# Altium PCB motor_drive.PcbDoc
Units mm, origin at the board's own origin, x right, y up, seen from the top; angles counter-clockwise.
Board outline 99.95 x 81.66 mm, 2 copper layers (Top Layer, Bottom Layer); 112 components, 60 nets, 303 pads, 671 vias.
Unrouted connection lines stored in the file: 26.
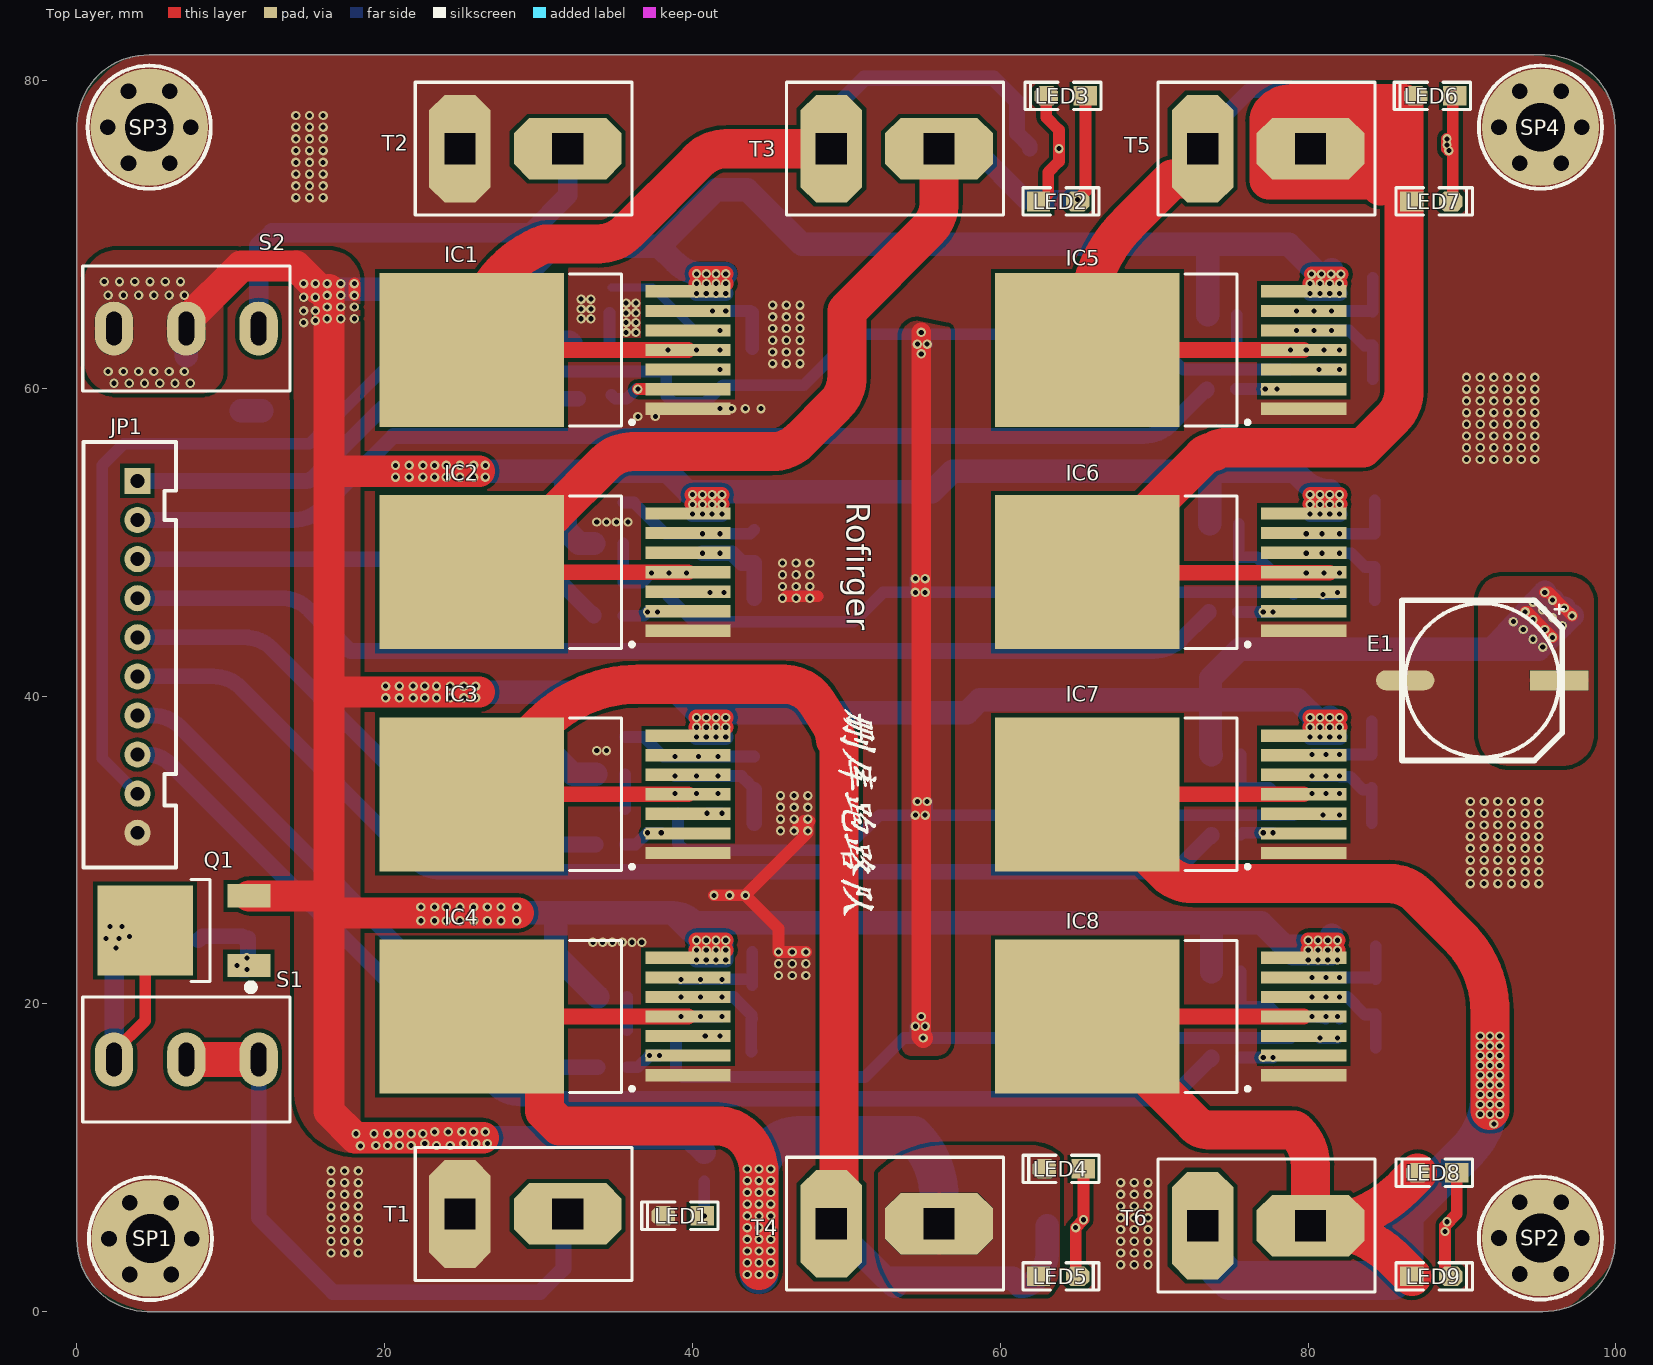
[diagram p0: Top Layer view]
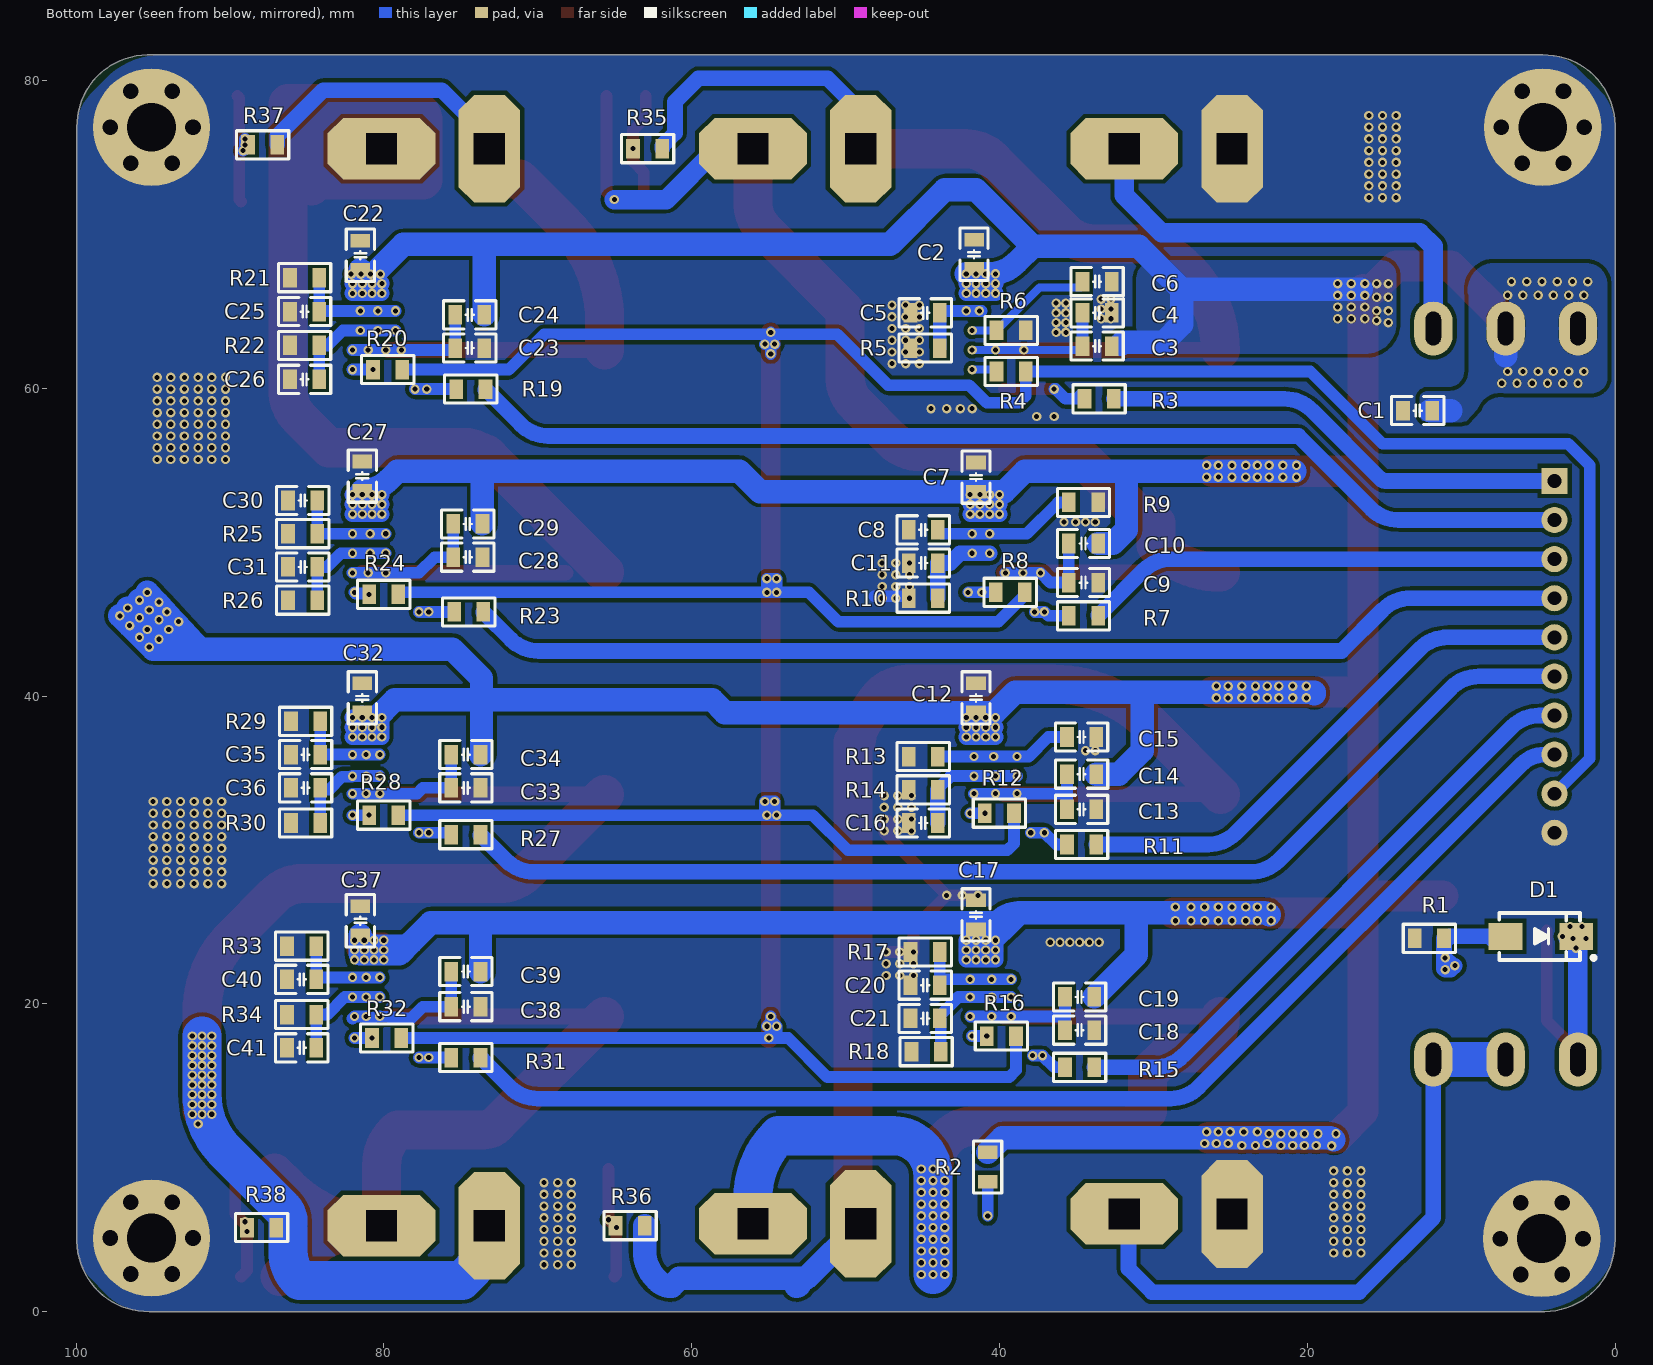
[diagram p1: Bottom Layer view, seen from below]
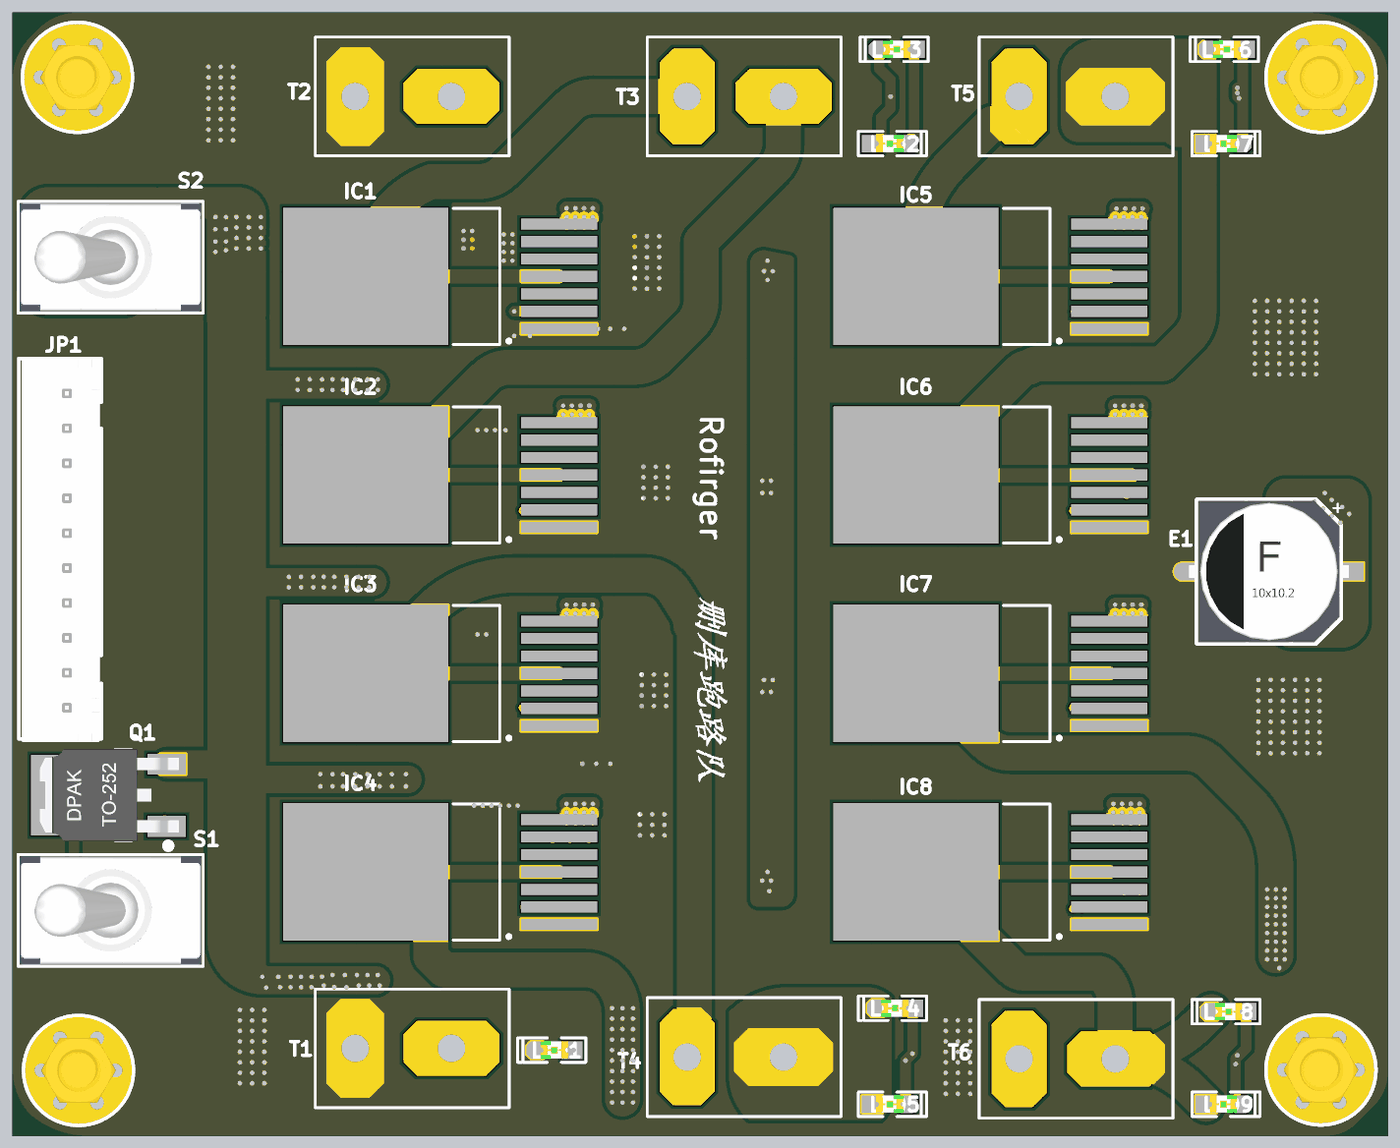
[diagram p2: 3D render of the assembled board from above, using the file's embedded part models]
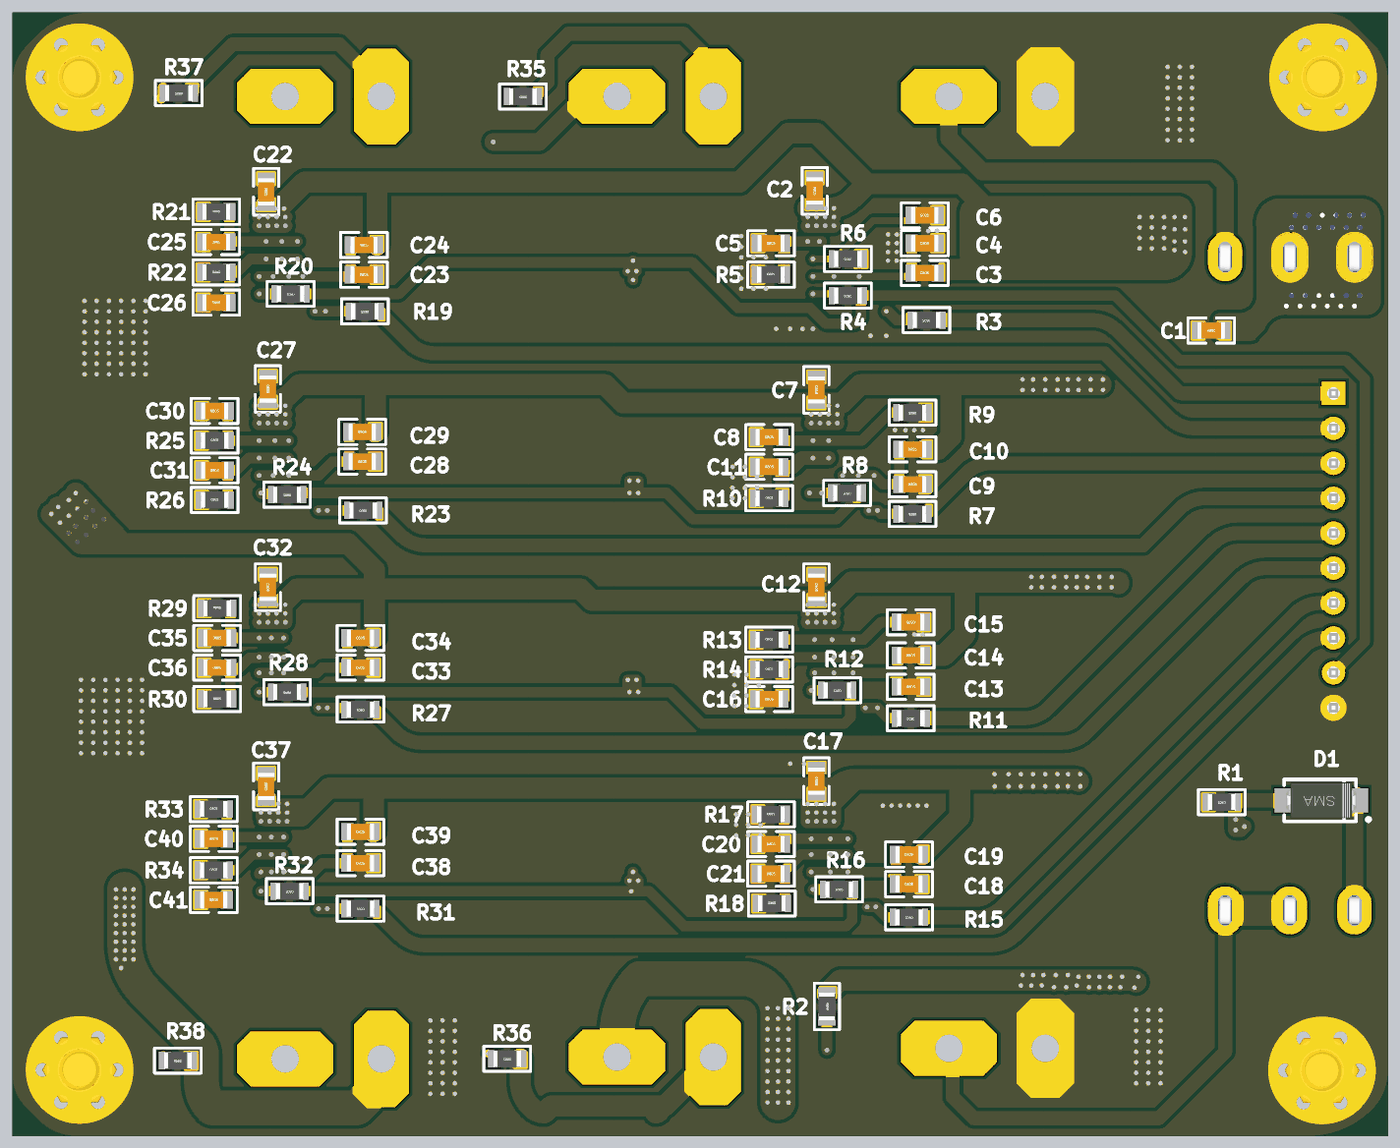
[diagram p3: 3D render of the assembled board from below, using the file's embedded part models]

## Layer stack, top to bottom
Top Solder: solder mask 0.0102, Solder Resist, Dk 3.5
Top Layer: signal copper 0.0356
Dielectric 1: dielectric 0.32, FR-4, Dk 4.8
Bottom Layer: signal copper 0.0356
Bottom Solder: solder mask 0.0102, Solder Resist, Dk 3.5

## Board outline
4.572,0 cw(c4.635,4.636) 0,4.699 0,77.026 0,77.089 cw(c4.635,77.026) 4.699,81.661 95.377,81.661 cw(c95.313,77.023) 99.951,76.96 99.949,76.96 99.949,4.572 cw(c95.313,4.636) 95.25,0

## Design rules (kind name [scope] priority, off if disabled: settings)
Clearance [All] p1: gap=0.254 ignorepadtopadclearanceinfootprint=FALSE except(0: Arc-Hole Track-Hole SMDPad-Hole THPad-Hole Via-Hole Fill-Hole Poly-Hole Region-Hole Text-Hole)
PolygonConnect PolygonConnect_10 [All vs IsNamedPolygon('Top Layer-GND')] p1: connectstyle=Direct reliefconductorwidth=0.254 reliefentries=4 polygonreliefangle="90 Angle" airgapwidth=0.254
PolygonConnect PolygonConnect_9 [All vs IsNamedPolygon('Bottom Layer-GND')] p2: connectstyle=Direct reliefconductorwidth=0.254 reliefentries=4 polygonreliefangle="90 Angle" airgapwidth=0.254
PolygonConnect PolygonConnect_8 [All vs IsNamedPolygon('Bottom Layer-No Net 2')] p3: thpad.connectstyle=Direct thpad.reliefconductorwidth=0.254 thpad.reliefentries=4 thpad.polygonreliefangle="90 Angle" thpad.airgapwidth=0.254 smdpad.connectstyle=Direct smdpad.reliefconductorwidth=0.254 smdpad.reliefentries=4 smdpad.polygonreliefangle="90 Angle" smdpad.airgapwidth=0.254 via.connectstyle=Relief via.reliefconductorwidth=0.254 via.reliefentries=4 via.polygonreliefangle="90 Angle" via.airgapwidth=0.254
PolygonConnect PolygonConnect_7 [All vs IsNamedPolygon('Top Layer-VCC')] p4: thpad.connectstyle=Direct thpad.reliefconductorwidth=0.254 thpad.reliefentries=4 thpad.polygonreliefangle="90 Angle" thpad.airgapwidth=0.254 smdpad.connectstyle=Direct smdpad.reliefconductorwidth=0.254 smdpad.reliefentries=4 smdpad.polygonreliefangle="90 Angle" smdpad.airgapwidth=0.254 via.connectstyle=Relief via.reliefconductorwidth=0.254 via.reliefentries=4 via.polygonreliefangle="90 Angle" via.airgapwidth=0.254
PolygonConnect PolygonConnect_6 [All vs IsNamedPolygon('Top Layer-VCC')] p5: thpad.connectstyle=Relief thpad.reliefconductorwidth=0.254 thpad.reliefentries=4 thpad.polygonreliefangle="90 Angle" thpad.airgapwidth=0.254 smdpad.connectstyle=Direct smdpad.reliefconductorwidth=0.254 smdpad.reliefentries=4 smdpad.polygonreliefangle="90 Angle" smdpad.airgapwidth=0.254 via.connectstyle=Relief via.reliefconductorwidth=0.254 via.reliefentries=4 via.polygonreliefangle="90 Angle" via.airgapwidth=0.254
PolygonConnect PolygonConnect_5 [All vs IsNamedPolygon('Top Layer-VCC')] p6: thpad.connectstyle=Direct thpad.reliefconductorwidth=0.254 thpad.reliefentries=4 thpad.polygonreliefangle="90 Angle" thpad.airgapwidth=0.254 smdpad.connectstyle=Direct smdpad.reliefconductorwidth=0.254 smdpad.reliefentries=4 smdpad.polygonreliefangle="90 Angle" smdpad.airgapwidth=0.254 via.connectstyle=Relief via.reliefconductorwidth=0.254 via.reliefentries=4 via.polygonreliefangle="90 Angle" via.airgapwidth=0.254
PolygonConnect PolygonConnect_4 [All vs IsNamedPolygon('Bottom Layer-GND')] p7: thpad.connectstyle=Direct thpad.reliefconductorwidth=0.254 thpad.reliefentries=4 thpad.polygonreliefangle="90 Angle" thpad.airgapwidth=0.254 smdpad.connectstyle=Direct smdpad.reliefconductorwidth=0.254 smdpad.reliefentries=4 smdpad.polygonreliefangle="90 Angle" smdpad.airgapwidth=0.254 via.connectstyle=Relief via.reliefconductorwidth=0.254 via.reliefentries=4 via.polygonreliefangle="90 Angle" via.airgapwidth=0.254
PolygonConnect PolygonConnect_3 [All vs IsNamedPolygon('Top Layer-GND')] p8: thpad.connectstyle=Direct thpad.reliefconductorwidth=0.254 thpad.reliefentries=4 thpad.polygonreliefangle="90 Angle" thpad.airgapwidth=0.254 smdpad.connectstyle=Direct smdpad.reliefconductorwidth=0.254 smdpad.reliefentries=4 smdpad.polygonreliefangle="90 Angle" smdpad.airgapwidth=0.254 via.connectstyle=Relief via.reliefconductorwidth=0.254 via.reliefentries=4 via.polygonreliefangle="90 Angle" via.airgapwidth=0.254
PolygonConnect PolygonConnect_2 [All vs IsNamedPolygon('Bottom Layer-GND')] p9: thpad.connectstyle=Direct thpad.reliefconductorwidth=0.254 thpad.reliefentries=4 thpad.polygonreliefangle="90 Angle" thpad.airgapwidth=0.254 smdpad.connectstyle=Direct smdpad.reliefconductorwidth=0.254 smdpad.reliefentries=4 smdpad.polygonreliefangle="90 Angle" smdpad.airgapwidth=0.254 via.connectstyle=Relief via.reliefconductorwidth=0.254 via.reliefentries=4 via.polygonreliefangle="90 Angle" via.airgapwidth=0.254
PolygonConnect PolygonConnect_1 [All vs IsNamedPolygon('Bottom Layer-M1-')] p10: thpad.connectstyle=Direct thpad.reliefconductorwidth=0.254 thpad.reliefentries=4 thpad.polygonreliefangle="90 Angle" thpad.airgapwidth=0.254 smdpad.connectstyle=Direct smdpad.reliefconductorwidth=0.254 smdpad.reliefentries=4 smdpad.polygonreliefangle="90 Angle" smdpad.airgapwidth=0.254 via.connectstyle=Relief via.reliefconductorwidth=0.254 via.reliefentries=4 via.polygonreliefangle="90 Angle" via.airgapwidth=0.254
PolygonConnect [All] p11: connectstyle=Relief reliefconductorwidth=0.254 reliefentries=4 polygonreliefangle="90 Angle" airgapwidth=0.254
RoutingVias [All] p1: holewidth=0.711 width=1.27 viastyle="Through Hole" minholewidth=0.711 minwidth=1.27 maxholewidth=0.711 maxwidth=1.27
SolderMaskExpansion [All] p1: expansion=0.102
Width [All] p1: maxlimit=2.54 minlimit=0.254 preferedwidth=1.016
30 further rules are at their usual default settings.

## Classes and differential pairs
net class other_net: EN GND M1+ M1- M2+ M2- M3+ M3- M4+ M4- NetC5_2 NetC6_2 NetC8_2 NetC11_2 NetC15_2 NetC16_2 NetC20_2 NetC21_2 NetC25_2 NetC26_2 NetC30_2 NetC31_2 NetC35_2 NetC36_2 NetC40_2 NetC41_2 NetD1_1 NetD1_2 NetIC1_2 NetIC1_3 NetIC2_2 NetIC2_3 NetIC3_2 NetIC3_3 NetIC4_2 NetIC4_3 NetIC5_2 NetIC5_3 NetIC6_2 NetIC6_3 NetIC7_2 NetIC7_3 NetIC8_2 NetIC8_3 NetLED1_1 NetLED2_1 NetLED4_1 NetLED6_1 NetLED8_1 NetS1_1 NetS2_1 PWM1 PWM2 PWM3 PWM4 PWM5 PWM6 PWM7 PWM8
net class VCC: VCC

## Components (designator, comment, footprint, x,y, rotation, side; value= is the part's Value field where it differs from the comment)
C1 "100nf" C0805_L 12.827,58.547 r0 bottom
C2 "220nf" C0805_L 41.656,68.707 r270 bottom
C3 "220nf" C0805_L 33.657,62.738 r180 bottom
C4 "220nf" C0805_L 33.657,64.897 r180 bottom
C5 "100nf" C0805_L 44.831,64.897 r180 bottom
C6 "100nf" C0805_L 33.657,66.929 r0 bottom
C7 "220nf" C0805_L 41.529,54.229 r270 bottom
C8 "100nf" C0805_L 44.958,50.8 r180 bottom
C9 "220nf" C0805_L 34.544,47.371 r180 bottom
C10 "220nf" C0805_L 34.544,49.911 r180 bottom
C11 "100nf" C0805_L 44.958,48.641 r180 bottom
C12 "220nf" C0805_L 41.529,39.878 r270 bottom
C13 "220nf" C0805_L 34.671,32.639 r180 bottom
C14 "220nf" C0805_L 34.671,34.925 r180 bottom
C15 "100nf" C0805_L 34.671,37.338 r0 bottom
C16 "100nf" C0805_L 44.958,31.75 r180 bottom
C17 "220nf" C0805_L 41.529,25.781 r270 bottom
C18 "220nf" C0805_L 34.798,18.288 r180 bottom
C19 "220nf" C0805_L 34.798,20.447 r180 bottom
C20 "100nf" C0805_L 44.831,21.209 r180 bottom
C21 "100nf" C0805_L 44.831,19.05 r180 bottom
C22 "220nf" C0805_L 81.534,68.641 r270 bottom
C23 "220nf" C0805_L 74.422,62.611 r180 bottom
C24 "220nf" C0805_L 74.422,64.77 r180 bottom
C25 "100nf" C0805_L 85.156,64.982 r180 bottom
C26 "100nf" C0805_L 85.156,60.579 r180 bottom
C27 "220nf" C0805_L 81.407,54.29 r270 bottom
C28 "220nf" C0805_L 74.549,49.022 r180 bottom
C29 "220nf" C0805_L 74.549,51.181 r180 bottom
C30 "100nf" C0805_L 85.278,52.705 r180 bottom
C31 "100nf" C0805_L 85.278,48.387 r180 bottom
C32 "220nf" C0805_L 81.407,39.878 r270 bottom
C33 "220nf" C0805_L 74.676,34.036 r180 bottom
C34 "220nf" C0805_L 74.676,36.195 r180 bottom
C35 "100nf" C0805_L 85.09,36.195 r180 bottom
C36 "100nf" C0805_L 85.09,34.036 r180 bottom
C37 "220nf" C0805_L 81.534,25.4 r270 bottom
C38 "220nf" C0805_L 74.676,19.812 r180 bottom
C39 "220nf" C0805_L 74.676,22.098 r180 bottom
C40 "100nf" C0805_L 85.344,21.59 r180 bottom
C41 "100nf" C0805_L 85.344,17.145 r180 bottom
D1 "SS14" SMA 4.826,24.384 r180 bottom
E1 "220uF/50V" "CE F(10*10.2)" 91.313,41.021 r0 top
IC1 "part1" TO-263-7 32.766,62.484 r180 top
IC2 "part1" TO-263-7 32.766,48.048 r180 top
IC3 "part1" TO-263-7 32.766,33.613 r180 top
IC4 "part1" TO-263-7 32.766,19.177 r180 top
IC5 "part1" TO-263-7 72.771,62.484 r180 top
IC6 "part1" TO-263-7 72.771,48.048 r180 top
IC7 "part1" TO-263-7 72.771,33.613 r180 top
IC8 "part1" TO-263-7 72.771,19.177 r180 top
JP1 "HDR-1X10" XH2.54-LI-10P 3.937,42.545 r270 top
LED1 "POWER" "LED 0805R" 39.37,6.223 r180 top
LED2 "" "LED 0805R" 63.754,72.136 r0 top
LED3 "" "LED 0805R" 64.262,78.994 r180 top
LED4 "" "LED 0805R" 64.135,9.271 r180 top
LED5 "" "LED 0805R" 63.754,2.286 r0 top
LED6 "" "LED 0805R" 88.265,78.994 r180 top
LED7 "" "LED 0805R" 88.011,72.136 r0 top
LED8 "" "LED 0805R" 88.392,9.017 r180 top
LED9 "" "LED 0805R" 88.011,2.286 r0 top
Q1 "D15P05" TO252 8.128,24.765 r90 top
R1 "10K" R0805_L 12.065,24.257 r0 bottom
R2 "10K" R0805_L 40.767,9.398 r270 bottom
R3 "10K" R0805_L 33.528,59.309 r0 bottom
R4 "10K" R0805_L 39.243,61.087 r0 bottom
R5 "1K" R0805_L 44.831,62.611 r180 bottom
R6 "5.1K" R0805_L 39.243,63.754 r0 bottom
R7 "10K" R0805_L 34.544,45.212 r0 bottom
R8 "10K" R0805_L 39.304,46.736 r0 bottom
R9 "1K" R0805_L 34.544,52.578 r0 bottom
R10 "5.1K" R0805_L 44.958,46.355 r180 bottom
R11 "10K" R0805_L 34.671,30.353 r0 bottom
R12 "10K" R0805_L 40.005,32.385 r0 bottom
R13 "1K" R0805_L 44.958,36.068 r180 bottom
R14 "5.1K" R0805_L 44.958,33.909 r180 bottom
R15 "10K" R0805_L 34.798,15.875 r0 bottom
R16 "10K" R0805_L 39.878,17.907 r0 bottom
R17 "1K" R0805_L 44.831,23.368 r180 bottom
R18 "5.1K" R0805_L 44.77,16.891 r180 bottom
R19 "10K" R0805_L 74.356,59.944 r0 bottom
R20 "10K" R0805_L 79.756,61.214 r0 bottom
R21 "1K" R0805_L 85.156,67.183 r180 bottom
R22 "5.1K" R0805_L 85.156,62.78 r180 bottom
R23 "10K" R0805_L 74.488,45.466 r0 bottom
R24 "10K" R0805_L 80.01,46.609 r0 bottom
R25 "1K" R0805_L 85.278,50.546 r180 bottom
R26 "5.1K" R0805_L 85.278,46.228 r180 bottom
R27 "10K" R0805_L 74.676,30.988 r0 bottom
R28 "10K" R0805_L 80.01,32.258 r0 bottom
R29 "1K" R0805_L 85.09,38.354 r180 bottom
R30 "5.1K" R0805_L 85.09,31.75 r180 bottom
R31 "10K" R0805_L 74.676,16.51 r0 bottom
R32 "10K" R0805_L 79.822,17.78 r0 bottom
R33 "1K" R0805_L 85.344,23.749 r180 bottom
R34 "5.1K" R0805_L 85.344,19.304 r180 bottom
R35 "10K" R0805_L 62.865,75.565 r0 bottom
R36 "10K" R0805_L 64.008,5.588 r0 bottom
R37 "10K" R0805_L 87.884,75.819 r0 bottom
R38 "10K" R0805_L 87.95,5.461 r0 bottom
S1 "MTS-10x" MTS-10x 7.111,16.383 r180 top
S2 "MTS-10x" MTS-10x 7.111,63.881 r180 top
SP1 "M3铜柱" M3x4+6_N 4.775,4.745 r0 top
SP2 "M3铜柱" M3x4+6_N 95.098,4.78 r0 top
SP3 "M3铜柱" M3x4+6_N 4.699,76.962 r0 top
SP4 "M3铜柱" M3x4+6_N 95.098,76.962 r0 top
T1 "TX" T接头 31.892,6.35 r270 top
T2 "TX" T接头 31.892,75.565 r270 top
T3 "TX" T接头 56.022,75.565 r270 top
T4 "TX" T接头 56.022,5.715 r270 top
T5 "TX" T接头 80.152,75.565 r270 top
T6 "TX" T接头 80.152,5.588 r270 top

## Footprints (in the part's own frame and the unit in brackets; to place one, negate y for a bottom-side part, rotate by r counter-clockwise, add the part's x,y. Pads: shape width x height; smd on the part's side, far side on the other; paste and mask are expansions set on the pad)
C0805_L [mil] "贴片MLCC电容"
  rect 35x50 smd: 1(-37.4,0) 2(37.4,0)
  silkscreen extent -67,-36 67,36, body extent -39,-24 39,24, height 22
"CE F(10*10.2)" [mm] "贴片电解电容，直径1"
  rect 3.8x1.3 smd: 1(5,0)
  oval 3.8x1.3 smd: 2(-5,0)
  silkscreen extent -5.2,-5.2 5.3,5.2, body extent -5.8,-5.15 5.8,5.15, height 10.28
"LED 0805R" [mil] "红色0805LED                                       淘宝ID:黄晶宝石"
  rect 60x50 smd: 1(-50,0)
  oct 60x50 smd: 2(50,0)
  silkscreen extent -90,-35 105,35, body extent -39,-25 39,25, height 32
M3x4+6_N [mil] "M3铜柱，长：4mm，螺?"
  round 40 hole 40: 1(-106,0) 1(-53,-91.8) 1(-53,91.8) 1(53,-91.8) 1(53,91.8) 1(106,0)
  round 300 hole 125: 1(0,0)
  silkscreen extent -157,-157 157,157, body extent -106,-93 106,93, height 159
MTS-10x [mm] "MTS10系列3脚扭子开?"
  oval 2.5x3.5 hole 1 slot 2.2 at 90 deg: 1(-4.7,0) 2(0,0) 3(4.7,0)
  silkscreen extent -6.73,-4.06 6.73,4.06, body extent -6.6,-3.95 6.6,3.95, height 30.12
R0805_L [mil] "1/8W贴片电阻"
  rect 35x50 smd: 1(-37.4,0) 2(37.4,0)
  silkscreen extent -67,-36 67,36, body extent -39,-25 39,25, height 20
SMA [mm] "4.5x2.6*2.2mm（长宽高，不包括引脚）联系卖家 免费?"
  rect 2.2x1.75 smd: 1(-2.3,0) 2(2.3,0)
  silkscreen extent -2.7,-1.52 3.56,1.52, body extent -2.55,-1.3 2.55,1.3, height 2.15
TO252 [mil] "252晶体管                联系卖家 免费查找封装"
  rect 60x110 smd: 1(-89.55,-119.77) 3(88.45,-120.77)
  rect 230x245 smd: 2(0,145.35)
  silkscreen extent -153,-133 130,28, body extent -133,-155 133,243, height 98
TO-263-7 [mm] "TO, 8-Pads,7970"
  rect 5.55x0.8 smd: 1(-6.943,3.81) 2(-6.943,2.54) 3(-6.943,1.27) 4(-6.943,0) 5(-6.943,-1.27) 6(-6.943,-2.54) 7(-6.943,-3.81)
  rect 12x10 smd: 8(7.112,0)
  silkscreen extent -3.43,-4.95 0.75,4.95
T接头 [mm]
  oct 4x7 hole 2 square: 1(0,0)
  oct 7x4 hole 2 square: 2(0,-7)
  silkscreen extent -4.32,-9.91 4.32,4.19
XH2.54-LI-10P [mm] "接插件，10P"
  rect 1.7x1.7 hole 0.9: 1(-11.43,0)
  round 1.7 hole 0.9: 2(-8.89,0) 3(-6.35,0) 4(-3.81,0) 5(-1.27,0) 6(1.27,0) 7(3.81,0) 8(6.35,0) 9(8.89,0) 10(11.43,0)
  silkscreen extent -13.97,-3.5 13.69,2.5, body extent -13.93,-3.3 13.93,2.4, height 1.99

## Part data
C1 C2 C3 C4 C5 C6 C7 C8 C9 C10 C11 C12 C13 C14 C15 C16 C17 C18 C19 C20 C21 C22 C23 C24 C25 C26 C27 C28 C29 C30 C31 C32 C33 C34 C35 C36 C37 C38 C39 C40 C41: library part C, "贴片电容/MLCC电容"
D1: "肖特基二极管"
E1: library part CE_SMD, "贴片电解电容"
IC1 IC2 IC3 IC4 IC5 IC6 IC7 IC8: library part BTN8982
JP1: library part "Header 10", "10P接插件"
LED1 LED2 LED3 LED4 LED5 LED6 LED7 LED8 LED9: library part LED-SMD, "贴片LED"
Q1: "P沟道 50V/15A"
R1 R2 R3 R4 R5 R6 R7 R8 R9 R10 R11 R12 R13 R14 R15 R16 R17 R18 R19 R20 R21 R22 R23 R24 R25 R26 R27 R28 R29 R30 R31 R32 R33 R34 R35 R36 R37 R38: library part R, "贴片电阻"
S1 S2: "MTS10x系列3脚扭子开关"
SP1 SP2 SP3 SP4: library part 铜柱加头大焊盘, "铜柱"
T1 T2 T3 T4 T5 T6: library part T接头

## Via types
v1: diameter 0.61, hole 0.33, Top Layer to Bottom Layer, tented both sides, 493 vias
v2: diameter 0.61, hole 0.33, Top Layer to Bottom Layer, tented bottom, 164 vias
v3: diameter 0.61, hole 0.33, Top Layer to Bottom Layer, tented top, 8 vias
v4: diameter 0.61, hole 0.33, Top Layer to Bottom Layer, 6 vias
